# Altium PCB CABLE_JIG_TEST_PCB.PcbDoc (part 2 of 4) (continued)
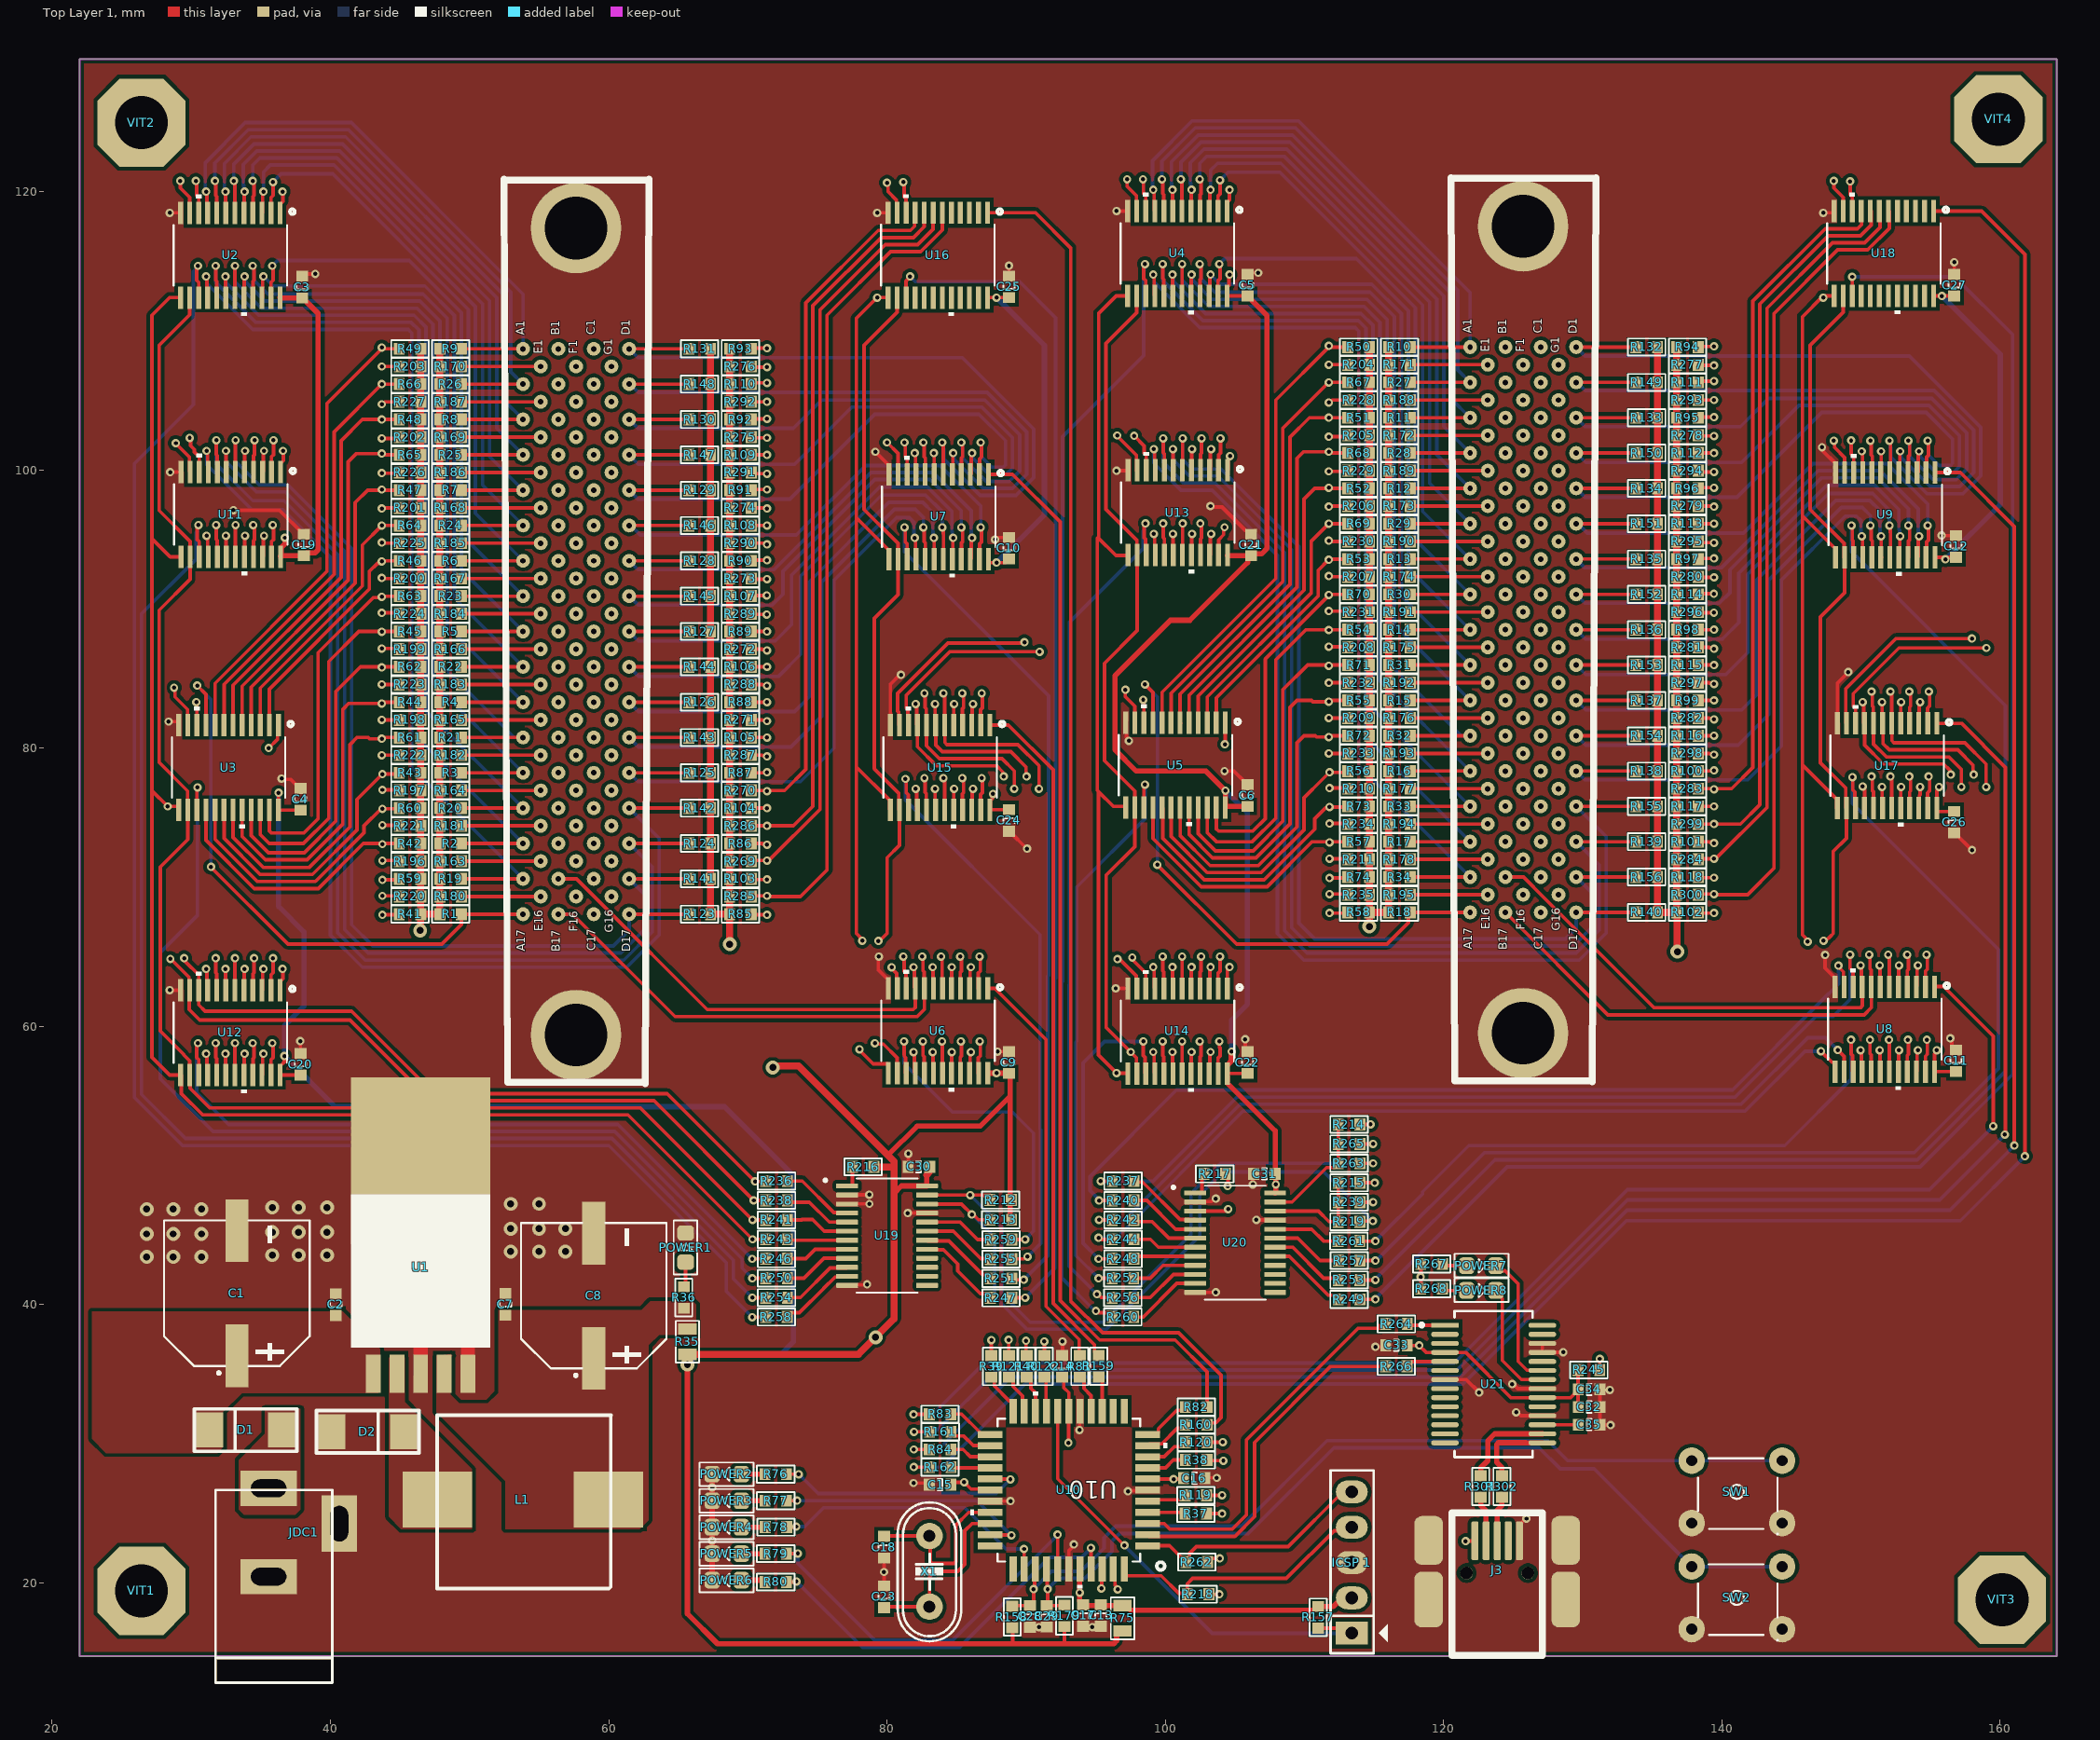
[diagram p0: Top Layer 1 view]
## Nets (pads, with @x,y where several pads share a name; then routed paths per layer and width w, separated by ;. In a path a pad name is that pad's centre, name@x,y a point inside that pad or via, vN(x,y) a via of type N, cw(c..) or ccw(c..) an arc to the next point about the centre after c; other vN are vias at no path point) (continued)
  Bottom Layer 1 w0.254: J1.D5@61.468,98.553 62.104,97.917 73.025,97.917 79.121,104.013 86.618,104.013 88.519,102.112 88.519,100.352 88.37,100.203 87.543,100.203 86.798,100.948 86.798,101.924 v1(86.741,101.981)
A4Y8: J1.D6 R146.1 U7.23 | length 37
  Top Layer 1 w0.254: J1.D6@61.468,96.013 R146.1@65.761,96.012 R146.1@65.761,96.012 ; U7.23@86.659,93.595 86.659,94.698 86.798,94.837 86.798,95.824 v1(86.741,95.881)
  Bottom Layer 1 w0.254: J1.D6@61.468,96.013 61.594,96.013 62.276,95.331 73.487,95.331 78.486,100.33 83.82,100.33 86.741,97.409 v1(86.741,95.881)
A4Y9: J1.D7 R128.1 U7.22 | length 36.7
  Top Layer 1 w0.254: J1.D7@61.468,93.473 R128.1@65.761,93.472 R128.1@65.761,93.472 ; U7.22@86.009,93.595 86.059,93.645 86.059,95.062 v1(86.117,95.119)
  Bottom Layer 1 w0.254: J1.D7@61.468,93.473 62.104,92.837 71.882,92.837 78.867,99.822 83.312,99.822 86.06,97.074 86.06,95.176 v1(86.117,95.119)
A4Y10: J1.D8 R145.1 U7.21 | length 37.6
  Top Layer 1 w0.254: J1.D8@61.468,90.933 R145.1@65.761,90.932 R145.1@65.761,90.932 ; v1(85.344,95.881) 85.344,95.787 85.436,95.695 85.436,94.837 85.359,94.76 U7.21@85.359,93.595
  Bottom Layer 1 w0.254: J1.D8@61.468,90.933 62.104,90.297 71.755,90.297 72.517,91.059 72.517,92.71 79.121,99.314 83.102,99.314 85.344,97.072 v1(85.344,95.881)
A4Y11: J1.D9 R127.1 U7.20 | length 38.7
  Top Layer 1 w0.254: J1.D9@61.468,88.393 R127.1@65.761,88.392 R127.1@65.761,88.392 ; U7.20@84.709,93.595 84.732,93.618 84.732,95.096 v1(84.755,95.119)
  Bottom Layer 1 w0.254: J1.D9@61.468,88.393 62.15,87.711 71.963,87.711 72.136,87.884 73.152,88.9 73.152,92.456 79.482,98.786 82.911,98.786 84.663,97.034 84.663,95.599 84.709,95.553 84.709,95.165 v1(84.755,95.119)
A4Y12: J1.D10 R144.1 U7.19 | length 39.7
  Top Layer 1 w0.254: J1.D10@61.468,85.853 R144.1@65.761,85.852 R144.1@65.761,85.852 ; v1(83.982,95.881) 84.048,95.815 84.048,95.412 84.066,95.394 84.066,93.603 U7.19@84.059,93.595
  Bottom Layer 1 w0.254: J1.D10@61.468,85.853 62.15,85.171 72.217,85.171 73.787,86.741 73.787,92.373 79.607,98.193 82.786,98.193 83.982,96.997 v1(83.982,95.881)
A4Y13: J1.D11 R126.1 U7.18 | length 41.2
  Top Layer 1 w0.254: J1.D11@61.468,83.313 R126.1@65.761,83.312 R126.1@65.761,83.312 ; v1(83.378,95.119) 83.394,95.104 83.394,93.611 U7.18@83.409,93.595
  Bottom Layer 1 w0.254: J1.D11@61.468,83.313 62.15,82.631 73.36,82.631 74.422,83.693 74.422,91.97 80.137,97.685 82.576,97.685 83.301,96.959 83.301,95.599 83.312,95.588 83.312,95.185 v1(83.378,95.119)
A4Y14: J1.D12 R143.1 U7.17 | length 41.8
  Top Layer 1 w0.254: J1.D12@61.468,80.773 R143.1@65.761,80.772 R143.1@65.761,80.772 ; v1(82.62,95.881) 82.677,95.824 82.677,94.857 82.759,94.775 U7.17@82.759,93.595
  Bottom Layer 1 w0.254: J1.D12@61.468,80.773 62.15,80.091 73.106,80.091 75.311,82.296 75.311,91.948 80.54,97.177 82.042,97.177 82.62,96.599 v1(82.62,95.881)
A4Y15: J1.D13 R125.1 U7.16 | length 42.8
  Top Layer 1 w0.254: J1.D13@61.468,78.233 R125.1@65.761,78.232 R125.1@65.761,78.232 ; v1(81.996,95.119) 82.059,95.057 82.059,93.645 U7.16@82.109,93.595
  Bottom Layer 1 w0.254: J1.D13@61.468,78.233 62.104,77.597 73.787,77.597 76.2,80.01 76.2,92.075 80.687,96.562 81.619,96.562 81.939,96.242 81.939,95.176 v1(81.996,95.119)
A5_ENABLE: R254.1 U11.15 | length 96.7
  Top Layer 1 w0.254: v1(30.515,96.04) 30.515,95.946 30.423,95.854 30.423,94.996 30.567,94.852 U11.15@30.567,93.754 ; v1(70.328,40.497) 71.283,40.497 R254.1@71.293,40.507
  Bottom Layer 1 w0.254: v1(30.515,96.04) 30.449,95.974 30.449,95.586 30.353,95.49 30.353,93.599 26.416,89.662 26.416,55.118 29.591,51.943 60.226,51.943 68.961,43.208 68.961,41.864 v1(70.328,40.497)
A5_Z_MCU: R119.1 U10.5 | length 2.8
  Top Layer 1 w0.254: U10.5@98.743,25.869 98.851,25.977 101.152,25.977 R119.1@101.425,26.249
A5Y0: J1.D14 R142.1 U11.9 | length 81.2
  Top Layer 1 w0.254: v1(31.104,101.378) 31.167,101.315 31.167,99.904 U11.9@31.217,99.854 ; J1.D14@61.468,75.693 R142.1@65.761,75.692 R142.1@65.761,75.692
  Bottom Layer 1 w0.254: v1(31.104,101.378) 31.104,100.385 34.334,97.155 36.58,97.155 40.005,93.73 40.005,66.548 42.291,64.262 61.3,64.262 63.627,66.589 63.627,73.534 J1.D14@61.468,75.693
A5Y1: J1.D15 R124.1 U11.8 | length 78.2
  Top Layer 1 w0.254: v1(31.796,102.14) 31.785,102.129 31.785,101.116 31.867,101.034 U11.8@31.867,99.854 ; J1.D15@61.468,73.153 R124.1@65.761,73.152 R124.1@65.761,73.152
  Bottom Layer 1 w0.254: v1(31.796,102.14) 31.785,102.129 31.785,100.422 34.417,97.79 36.663,97.79 40.513,93.94 40.513,66.758 42.501,64.77 61.089,64.77 63.119,66.8 63.119,71.502 J1.D15@61.468,73.153
A5Y2: J1.D16 R141.1 U11.7 | length 72.1
  Top Layer 1 w0.254: v1(32.486,101.378) 32.502,101.362 32.502,99.869 U11.7@32.517,99.854 ; J1.D16@61.468,70.613 R141.1@65.761,70.612 R141.1@65.761,70.612
  Bottom Layer 1 w0.254: v1(32.486,101.378) 32.486,100.61 34.671,98.425 36.747,98.425 41.021,94.151 41.021,66.969 42.712,65.278 60.879,65.278 62.611,67.01 62.611,69.47 J1.D16@61.468,70.613
A5Y3: J1.D17 R123.1 U11.6 | length 68.3
  Top Layer 1 w0.254: U11.6@33.167,99.854 33.175,99.861 33.175,102.132 v1(33.182,102.14) ; J1.D17@61.468,68.073 R123.1@65.761,68.072
  Bottom Layer 1 w0.254: v1(33.182,102.14) 33.182,100.632 34.881,98.933 36.957,98.933 41.529,94.361 41.529,67.31 43.053,65.786 60.325,65.786 61.468,66.929 J1.D17@61.468,68.073
A5Y4: J1.E1 R170.1 U11.5 | length 34.3
  Top Layer 1 w0.254: U11.5@33.817,99.854 33.84,99.877 33.84,101.355 v1(33.863,101.378) ; R170.1@49.416,107.442 J1.E1@55.118,107.442
  Top Layer w0.254: v1(33.863,101.378) 33.863,105.999 35.987,108.123 52.659,108.123 53.22,107.562 54.998,107.562 J1.E1@55.118,107.442
A5Y5: J1.E2 R187.1 U11.4 | length 31.8
  Top Layer 1 w0.254: U11.4@34.467,99.854 34.467,101.019 34.544,101.096 v1(34.544,102.14) ; R187.1@49.416,104.902 J1.E2@55.118,104.902
  Top Layer w0.254: v1(34.544,102.14) 34.544,104.902 35.052,105.41 52.832,105.41 53.213,105.029 54.991,105.029 J1.E2@55.118,104.902
A5Y6: J1.E3 R169.1 U11.3 | length 30.3
  Top Layer 1 w0.254: U11.3@35.117,99.854 35.167,99.904 35.167,101.32 v1(35.225,101.378) ; R169.1@49.416,102.362 J1.E3@55.118,102.362
  Top Layer w0.254: v1(35.225,101.378) 35.225,103.678 35.56,104.013 41.656,104.013 42.718,102.951 52.624,102.951 53.093,102.482 54.998,102.482 J1.E3@55.118,102.362
A5Y7: J1.E4 R186.1 U11.2 | length 29.9
  Top Layer 1 w0.254: U11.2@35.767,99.854 35.767,100.957 35.906,101.096 v1(35.906,102.14) ; R186.1@49.416,99.822 J1.E4@55.118,99.822
  Top Layer w0.254: v1(35.906,102.14) 35.906,103.216 36.068,103.378 40.259,103.378 43.18,100.457 52.451,100.457 52.959,99.949 54.991,99.949 J1.E4@55.118,99.822
A5Y8: J1.E5 R168.1 U11.23 | length 28.4
  Top Layer 1 w0.254: U11.23@35.767,93.754 35.767,94.857 35.906,94.996 35.906,95.983 v1(35.849,96.04) ; R168.1@49.416,97.282 J1.E5@55.118,97.282
  Top Layer w0.254: v1(35.849,96.04) 40.414,96.04 42.291,97.917 52.705,97.917 53.213,97.409 54.991,97.409 J1.E5@55.118,97.282
A5Y9: J1.E6 R185.1 U11.22 | length 28.1
  Top Layer 1 w0.254: U11.22@35.117,93.754 35.167,93.804 35.167,95.22 v1(35.225,95.278) ; R185.1@49.416,94.742 J1.E6@55.118,94.742
  Top Layer w0.254: v1(35.225,95.278) 36.396,94.107 52.197,94.107 53.086,94.996 54.662,94.996 54.916,94.742 J1.E6@55.118,94.742
A5Y10: J1.E7 R167.1 U11.21 | length 31.5
  Top Layer 1 w0.254: v1(34.452,96.04) 34.452,95.946 34.544,95.854 34.544,94.996 34.467,94.919 U11.21@34.467,93.754 ; R167.1@49.416,92.202 J1.E7@55.118,92.202
  Top Layer w0.254: v1(34.452,96.04) 34.518,95.974 34.518,95.586 34.544,95.56 34.544,94.996 37.973,91.567 52.07,91.567 52.832,92.329 54.991,92.329 J1.E7@55.118,92.202
A5Y11: J1.E8 R184.1 U11.20 | length 31.6
  Top Layer 1 w0.254: U11.20@33.817,93.754 33.84,93.777 33.84,95.255 v1(33.863,95.278) ; R184.1@49.416,89.662 J1.E8@55.118,89.662
  Top Layer w0.254: v1(33.863,95.278) 33.929,95.212 33.929,94.892 39.769,89.052 52.222,89.052 52.959,89.789 54.991,89.789 J1.E8@55.118,89.662
A5Y12: J1.E9 R166.1 U11.19 | length 35
  Top Layer 1 w0.254: U11.19@33.167,93.754 33.175,93.762 33.175,96.033 v1(33.182,96.04) ; R166.1@49.416,87.122 J1.E9@55.118,87.122
  Top Layer w0.254: v1(33.182,96.04) 33.182,94.707 41.402,86.487 52.07,86.487 52.832,87.249 54.991,87.249 J1.E9@55.118,87.122
A5Y13: J1.E10 R183.1 U11.18 | length 35.7
  Top Layer 1 w0.254: v1(32.486,95.278) 32.502,95.263 32.502,93.77 U11.18@32.517,93.754 ; R183.1@49.416,84.582 J1.E10@55.118,84.582
  Top Layer w0.254: v1(32.486,95.278) 32.486,94.006 42.591,83.901 52.278,83.901 53.086,84.709 54.991,84.709 J1.E10@55.118,84.582
A5Y14: J1.E11 R165.1 U11.17 | length 39.7
  Top Layer 1 w0.254: v1(31.785,96.04) 31.785,95.016 31.867,94.934 U11.17@31.867,93.754 ; R165.1@49.416,82.042 J1.E11@55.118,82.042
  Top Layer w0.254: v1(31.785,96.04) 31.785,92.982 43.406,81.361 52.278,81.361 53.171,82.254 54.354,82.254 54.424,82.185 54.975,82.185 J1.E11@55.118,82.042
A5Y15: J1.E12 R182.1 U11.16 | length 40.9
  Top Layer 1 w0.254: v1(31.104,95.278) 31.167,95.215 31.167,93.804 U11.16@31.217,93.754 ; R182.1@49.416,79.502 J1.E12@55.118,79.502
  Top Layer w0.254: v1(31.104,95.278) 31.104,91.123 43.406,78.821 52.151,78.821 52.952,79.622 54.998,79.622 J1.E12@55.118,79.502
A6_ENABLE: R246.1 U12.15 | length 51.8
  Top Layer 1 w0.254: v1(30.48,58.801) 30.48,58.707 30.388,58.615 30.388,57.757 30.532,57.613 U12.15@30.532,56.515 ; v1(70.315,43.291) 71.271,43.291 R246.1@71.281,43.301
  Bottom Layer 1 w0.254: v1(30.48,58.801) 30.414,58.735 30.414,58.347 30.388,58.321 30.388,55.252 32.681,52.959 60.647,52.959 v1(70.315,43.291)
A6_Z_MCU: R120.1 U10.9 | length 3.2
  Top Layer 1 w0.254: U10.9@98.743,29.069 99.935,29.069 100.66,29.794 101.194,29.794 101.46,30.061 R120.1@101.46,30.099
A6Y0: J1.E13 R164.1 U12.9 | length 38.4
  Top Layer 1 w0.254: v1(31.069,64.139) 31.132,64.076 31.132,62.665 U12.9@31.182,62.615 ; R164.1@49.416,76.962 J1.E13@55.118,76.962
  Top Layer w0.254: v1(31.069,64.139) 31.069,67.01 40.386,76.327 52.324,76.327 53.086,77.089 54.991,77.089 J1.E13@55.118,76.962
A6Y1: J1.E14 R181.1 U12.8 | length 36.7
  Top Layer 1 w0.254: v1(31.75,64.901) 31.75,63.877 31.832,63.795 U12.8@31.832,62.615 ; R181.1@49.416,74.422 J1.E14@55.118,74.422
  Top Layer w0.254: v1(31.75,64.901) 31.75,66.802 38.735,73.787 52.197,73.787 53.086,74.676 54.662,74.676 54.916,74.422 J1.E14@55.118,74.422
A6Y2: J1.E15 R163.1 U12.7 | length 34.7
  Top Layer 1 w0.254: v1(32.451,64.139) 32.467,64.123 32.467,62.63 U12.7@32.482,62.615 ; R163.1@49.416,71.882 J1.E15@55.118,71.882
  Top Layer w0.254: v1(32.451,64.139) 32.451,66.614 37.084,71.247 51.943,71.247 52.705,72.009 54.001,72.009 54.008,72.002 54.998,72.002 J1.E15@55.118,71.882
A6Y3: J1.E16 R180.1 U12.6 | length 32.6
  Top Layer 1 w0.254: U12.6@33.132,62.615 33.139,62.622 33.139,64.893 v1(33.147,64.901) ; R180.1@49.416,69.342 J1.E16@55.118,69.342
  Top Layer w0.254: v1(33.147,64.901) 33.147,66.167 35.687,68.707 51.816,68.707 52.571,69.462 54.998,69.462 J1.E16@55.118,69.342
A6Y4: J1.F1 R203.1 U12.5 | length 65
  Top Layer 1 w0.254: U12.5@33.782,62.615 33.805,62.638 33.805,64.116 v1(33.828,64.139) ; v1(43.688,107.442) R203.1@44.945,107.442
  Bottom Layer w0.254: v1(33.828,64.139) 33.828,66.086 37.211,69.469 37.211,85.217 38.481,86.487 38.481,102.235 v1(43.688,107.442) 53.848,107.442 54.864,108.458 55.372,108.458 56.388,107.442 J1.F1@57.658,107.442
A6Y5: J1.F2 R227.1 U12.4 | length 62.2
  Top Layer 1 w0.254: U12.4@34.432,62.615 34.432,63.78 34.509,63.857 v1(34.509,64.901) ; v1(43.688,104.729) 43.782,104.729 43.955,104.902 R227.1@44.945,104.902
  Bottom Layer w0.254: v1(34.509,64.901) 34.509,65.751 37.719,68.961 37.719,85.007 38.989,86.277 38.989,100.203 40.711,101.925 43.374,104.588 43.453,104.588 43.594,104.729 v1(43.688,104.729) ; v1@43.688,104.902 53.848,104.902 54.864,105.918 55.372,105.918 56.388,104.902 J1.F2@57.658,104.902
A6Y6: J1.F3 R202.1 U12.3 | length 60.1
  Top Layer 1 w0.254: U12.3@35.082,62.615 35.132,62.665 35.132,64.081 v1(35.19,64.139) ; v1(43.688,102.27) 44.853,102.27 R202.1@44.945,102.362
  Bottom Layer w0.254: v1(35.19,64.139) 35.19,65.543 38.227,68.58 38.227,84.796 39.497,86.066 39.497,99.441 42.326,102.27 v1(43.688,102.27) ; v1@43.688,102.362 53.848,102.362 54.864,103.378 55.372,103.378 56.388,102.362 J1.F3@57.658,102.362
A6Y7: J1.F4 R226.1 U12.2 | length 57.5
  Top Layer 1 w0.254: U12.2@35.732,62.615 35.732,63.718 35.871,63.857 v1(35.871,64.901) ; v1(43.688,99.776) 44.899,99.776 R226.1@44.945,99.822
  Bottom Layer w0.254: v1(35.871,64.901) 38.735,67.765 38.735,84.586 40.005,85.856 40.005,97.663 42.164,99.822 v1@43.688,99.822 ; v1(43.688,99.776) 43.734,99.822 53.848,99.822 54.864,100.838 55.372,100.838 56.388,99.822 J1.F4@57.658,99.822
A6Y8: J1.F5 R201.1 U12.23 | length 60.8
  Top Layer 1 w0.254: U12.23@35.732,56.515 35.732,57.618 35.871,57.757 35.871,58.744 v1(35.814,58.801) ; v1(43.688,97.236) 43.734,97.282 44.425,97.282 R201.1@44.945,97.282
  Bottom Layer w0.254: v1(35.814,58.801) 39.243,62.23 39.243,84.375 40.513,85.645 40.513,95.123 42.672,97.282 43.642,97.282 v1(43.688,97.236) ; v1@43.688,97.282 53.848,97.282 54.864,98.298 55.372,98.298 56.388,97.282 J1.F5@57.658,97.282
A6Y9: J1.F6 R225.1 U12.22 | length 60.5
  Top Layer 1 w0.254: U12.22@35.082,56.515 35.132,56.565 35.132,57.981 v1(35.19,58.039) ; v1(43.688,94.788) 43.734,94.742 44.425,94.742 R225.1@44.945,94.742
  Bottom Layer w0.254: v1(35.19,58.039) 36.079,57.15 37.465,57.15 39.751,59.436 39.751,84.165 41.021,85.435 41.021,92.075 v1@43.688,94.742 ; v1(43.688,94.788) v1@43.688,94.742 ; J1.F6@57.658,94.742 56.388,94.742 55.372,95.758 54.864,95.758 53.848,94.742 v1@43.688,94.742
A6Y10: J1.F7 R200.1 U12.21 | length 61.5
  Top Layer 1 w0.254: v1(34.417,58.801) 34.417,58.707 34.509,58.615 34.509,57.757 34.432,57.68 U12.21@34.432,56.515 ; v1(43.688,92.248) 43.734,92.202 44.425,92.202 R200.1@44.945,92.202
  Bottom Layer w0.254: v1(34.417,58.801) 34.483,58.735 34.483,58.347 34.509,58.321 34.509,57.757 35.751,56.515 37.846,56.515 40.259,58.928 40.259,83.954 41.529,85.224 41.529,90.089 43.642,92.202 v1@43.688,92.202 ; v1(43.688,92.248) 43.734,92.202 53.848,92.202 54.864,93.218 55.372,93.218 56.388,92.202 J1.F7@57.658,92.202
A6Y11: J1.F8 R224.1 U12.20 | length 59.4
  Top Layer 1 w0.254: U12.20@33.782,56.515 33.805,56.538 33.805,58.016 v1(33.828,58.039) ; v1(43.688,89.733) 44.874,89.733 R224.1@44.945,89.662
  Bottom Layer w0.254: v1(33.828,58.039) 33.894,57.973 33.894,57.653 35.541,56.007 38.056,56.007 40.767,58.718 40.767,83.744 42.037,85.014 42.037,88.9 42.87,89.733 v1(43.688,89.733) ; v1@43.688,89.662 53.848,89.662 54.864,90.678 55.372,90.678 56.388,89.662 J1.F8@57.658,89.662
A6Y12: J1.F9 R199.1 U12.19 | length 60.1
  Top Layer 1 w0.254: U12.19@33.132,56.515 33.139,56.523 33.139,58.793 v1(33.147,58.801) ; v1(43.688,87.168) 44.899,87.168 R199.1@44.945,87.122
  Bottom Layer w0.254: v1(33.147,58.801) 33.147,57.487 35.157,55.477 38.245,55.477 41.275,58.507 41.275,83.385 42.545,84.655 42.545,86.973 42.694,87.122 43.642,87.122 v1(43.688,87.168) ; v1@43.688,87.122 53.848,87.122 54.864,88.138 55.372,88.138 56.388,87.122 J1.F9@57.658,87.122
A6Y13: J1.F10 R223.1 U12.18 | length 57.1
  Top Layer 1 w0.254: v1(32.451,58.039) 32.467,58.023 32.467,56.53 U12.18@32.482,56.515 ; v1(43.688,84.582) R223.1@44.945,84.582
  Bottom Layer w0.254: v1(32.451,58.039) 32.517,57.973 32.517,57.399 34.947,54.969 38.586,54.969 41.783,58.166 41.783,82.677 v1(43.688,84.582) 53.848,84.582 54.864,85.598 55.372,85.598 56.388,84.582 J1.F10@57.658,84.582
A6Y14: J1.F11 R198.1 U12.17 | length 57.7
  Top Layer 1 w0.254: v1(31.75,58.801) 31.75,57.777 31.832,57.695 U12.17@31.832,56.515 ; v1(43.688,82.042) R198.1@44.945,82.042
  Bottom Layer w0.254: v1(31.75,58.801) 31.75,57.404 34.671,54.483 34.715,54.483 34.736,54.461 38.797,54.461 42.291,57.956 42.291,80.645 v1(43.688,82.042) 53.848,82.042 54.864,83.058 55.372,83.058 56.388,82.042 J1.F11@57.658,82.042
A6Y15: J1.F12 R222.1 U12.16 | length 55.2
  Top Layer 1 w0.254: v1(31.069,58.039) 31.132,57.976 31.132,56.565 U12.16@31.182,56.515 ; v1(43.688,79.502) R222.1@44.945,79.502
  Bottom Layer w0.254: v1(31.069,58.039) 31.078,58.03 31.078,57.358 34.482,53.953 39.007,53.953 42.799,57.745 42.799,78.707 43.594,79.502 v1(43.688,79.502) 53.848,79.502 54.864,80.518 55.372,80.518 56.388,79.502 J1.F12@57.658,79.502
A7_ENABLE: R255.2 U15.15 | length 42.3
  Top Layer 1 w0.254: v1(81.331,77.796) 81.388,77.739 81.388,76.805 81.532,76.661 U15.15@81.532,75.563 ; R255.2@88.976,43.281 88.986,43.291 89.848,43.291 90.007,43.45 v1(90.101,43.45)
  Bottom Layer 1 w0.254: v1(81.331,77.796) 81.331,76.276 90.996,66.611 90.996,52.598 91.044,52.55 91.044,44.394 v1(90.101,43.45)
A7_Z_MCU: R159.1 U10.14 | length 2.6
  Top Layer 1 w0.254: R159.1@95.222,34.798 95.473,34.546 U10.14@95.473,32.338
A7Y0: J1.F13 R197.1 U15.9 | length 61.3
  Top Layer 1 w0.254: v1(43.734,77.008) 44.899,77.008 R197.1@44.945,76.962 ; v1(82.069,83.187) 82.132,83.124 82.132,81.713 U15.9@82.182,81.663 ; U15.9@82.195,81.663 82.195,80.103 83.558,78.74 87.884,78.74 88.326,78.298 88.326,78.044 v1(88.392,77.978)
  Bottom Layer w0.254: v1(43.734,77.008) 43.78,76.962 53.848,76.962 54.864,77.978 55.372,77.978 56.388,76.962 J1.F13@57.658,76.962 58.928,76.962 62.149,73.741 86.064,73.741 88.392,76.069 v1(88.392,77.978)
A7Y1: J1.F14 R221.1 U15.8 | length 64
  Top Layer 1 w0.254: v1(43.734,74.468) 44.899,74.468 R221.1@44.945,74.422 ; v1(82.693,83.949) 82.75,83.892 82.75,82.924 82.829,82.846 82.829,81.667 U15.8@82.832,81.663 ; U15.8@82.845,81.663 82.845,80.171 83.768,79.248 88.265,79.248 89.154,78.359 v1(89.154,77.089)
  Bottom Layer w0.254: v1(43.734,74.468) 43.78,74.422 53.848,74.422 54.864,75.438 55.372,75.438 56.388,74.422 J1.F14@57.658,74.422 58.905,74.422 62.08,71.247 84.288,71.247 89.154,76.113 v1(89.154,77.089)
A7Y2: J1.F15 R196.1 U15.7 | length 65.4
  Top Layer 1 w0.254: v1(43.734,71.928) 44.899,71.928 R196.1@44.945,71.882 ; v1(83.451,83.187) 83.467,83.171 83.467,81.678 U15.7@83.482,81.663 ; U15.7@83.495,81.663 83.521,81.637 83.521,80.214 83.978,79.756 88.9,79.756 89.997,78.659 89.997,78.024 v1(90.043,77.978)
  Bottom Layer w0.254: v1(43.734,71.928) 43.78,71.882 53.848,71.882 54.864,72.898 55.372,72.898 56.388,71.882 J1.F15@57.658,71.882 58.928,71.882 62.103,68.707 82.467,68.707 90.043,76.283 v1(90.043,77.978)
A7Y3: J1.F16 R220.1 U15.6 | length 67.4
  Top Layer 1 w0.254: v1(43.734,69.388) 44.899,69.388 R220.1@44.945,69.342 ; v1(84.055,83.949) 84.055,83.855 84.145,83.765 U15.6@84.145,81.676 ; U15.6@84.145,81.663 84.167,81.641 84.167,80.413 84.316,80.264 89.408,80.264 90.932,78.74 v1(90.932,77.089)
  Bottom Layer w0.254: v1(43.734,69.388) 43.78,69.342 53.848,69.342 54.864,70.358 55.372,70.358 56.388,69.342 J1.F16@57.658,69.342 58.928,69.342 61.214,67.056 81.534,67.056 90.932,76.454 v1(90.932,77.089)
A7Y4: J1.G1 R276.1 U15.5 | length 55.3
  Top Layer 1 w0.254: R276.1@70.244,107.442 70.29,107.396 v1(71.374,107.396) ; U15.5@84.782,81.663 84.805,81.686 84.805,83.164 v1(84.828,83.187)
  Top Layer w0.254: J1.G1@60.198,107.442 60.4,107.442 60.654,107.696 71.052,107.696 71.352,107.396 v1(71.374,107.396)
  Bottom Layer w0.254: J1.G1@60.198,107.442 J1.G1@60.221,107.419 ; v1@71.351,107.419 v1(71.374,107.396) 75.057,103.713 75.057,100.326 90.551,84.832 90.551,82.042 89.281,80.772 86.189,80.772 84.828,82.133 v1(84.828,83.187)
A7Y5: J1.G2 R292.1 U15.4 | length 52.2
  Top Layer 1 w0.254: R292.1@70.244,104.902 v1(71.374,104.902) ; v1(85.417,83.949) 85.417,83.855 85.509,83.763 85.509,82.904 85.432,82.827 U15.4@85.432,81.663
  Top Layer w0.254: J1.G2@60.198,104.902 60.4,104.902 60.654,105.156 71.052,105.156 71.306,104.902 v1(71.374,104.902)
  Bottom Layer w0.254: v1(71.374,104.902) 71.468,104.902 71.632,104.738 71.665,104.738 72.931,103.472 74.295,102.108 74.295,100.37 89.916,84.749 89.916,82.151 89.045,81.28 86.614,81.28 85.509,82.385 85.509,83.469 85.483,83.494 85.483,83.882 v1(85.417,83.949)
A7Y6: J1.G3 R275.1 U15.3 | length 46.4
  Top Layer 1 w0.254: R275.1@70.244,102.362 70.29,102.316 v1(71.374,102.316) ; U15.3@86.082,81.663 86.132,81.713 86.132,83.129 v1(86.19,83.187)
  Top Layer w0.254: J1.G3@60.198,102.362 60.4,102.362 60.654,102.616 71.052,102.616 71.352,102.316 v1(71.374,102.316)
  Bottom Layer w0.254: J1.G3@60.198,102.362 J1.G3@60.221,102.339 ; v1@71.351,102.339 v1(71.374,102.316) 72.309,102.316 73.66,100.965 73.66,100.286 89.281,84.665 89.281,82.234 88.835,81.788 87.039,81.788 86.256,82.57 86.256,83.12 v1(86.19,83.187)
A7Y7: J1.G4 R291.1 U15.2 | length 44.2
  Top Layer 1 w0.254: R291.1@70.244,99.822 70.336,99.73 v1(71.374,99.73) ; U15.2@86.732,81.663 86.732,82.765 86.871,82.904 86.871,83.892 v1(86.814,83.949)
  Top Layer w0.254: J1.G4@60.198,99.822 60.4,99.822 60.654,100.076 71.028,100.076 v1(71.374,99.73)
  Bottom Layer w0.254: J1.G4@60.198,99.822 J1.G4@60.244,99.776 ; v1@71.328,99.776 v1(71.374,99.73) 73.498,99.73 88.773,84.455 88.773,82.445 88.624,82.296 87.249,82.296 86.871,82.674 86.871,83.892 v1(86.814,83.949)
A7Y8: J1.G5 R274.1 U15.23 | length 42.2
  Top Layer 1 w0.254: R274.1@70.244,97.282 70.764,97.282 71.328,97.282 v1(71.374,97.236) ; U15.23@86.732,75.563 86.732,76.666 86.871,76.805 86.871,77.792 v1(86.814,77.849)
  Top Layer w0.254: J1.G5@60.198,97.282 60.4,97.282 60.654,97.536 71.052,97.536 71.352,97.236 v1(71.374,97.236)
  Bottom Layer w0.254: J1.G5@60.198,97.282 J1.G5@60.221,97.259 ; v1@71.351,97.259 v1(71.374,97.236) 78.74,89.87 78.74,85.126 81.57,82.296 83.947,82.296 86.814,79.429 v1(86.814,77.849)
A7Y9: J1.G6 R290.1 U15.22 | length 40.2
  Top Layer 1 w0.254: R290.1@70.244,94.742 71.188,94.742 71.28,94.65 v1(71.374,94.65) ; U15.22@86.082,75.563 86.132,75.613 86.132,77.029 v1(86.19,77.087)
  Top Layer w0.254: J1.G6@60.198,94.742 60.4,94.742 60.654,94.996 71.028,94.996 v1(71.374,94.65)
  Bottom Layer w0.254: J1.G6@60.198,94.742 J1.G6@60.29,94.65 ; v1(71.374,94.65) 72.736,94.65 78.232,89.154 78.232,84.916 81.36,81.788 83.693,81.788 86.133,79.348 86.133,77.144 v1(86.19,77.087)
A7Y10: J1.G7 R273.1 U15.21 | length 37.8
  Top Layer 1 w0.254: R273.1@70.244,92.202 70.29,92.156 v1(71.374,92.156) ; v1(85.417,77.849) 85.417,77.755 85.509,77.663 85.509,76.805 85.432,76.728 U15.21@85.432,75.563
  Top Layer w0.254: J1.G7@60.198,92.202 60.4,92.202 60.654,92.456 71.052,92.456 71.352,92.156 v1(71.374,92.156)
  Bottom Layer w0.254: J1.G7@60.198,92.202 J1.G7@60.221,92.179 ; v1@71.351,92.179 v1(71.374,92.156) 73.706,92.156 77.597,88.265 77.597,84.832 81.149,81.28 83.483,81.28 85.417,79.346 v1(85.417,77.849)
A7Y11: J1.G8 R289.1 U15.20 | length 35.9
  Top Layer 1 w0.254: R289.1@70.244,89.662 70.29,89.616 v1(71.367,89.616) ; U15.20@84.782,75.563 84.805,75.586 84.805,77.064 v1(84.828,77.087)
  Top Layer w0.254: J1.G8@60.198,89.662 60.4,89.662 60.654,89.916 71.046,89.916 71.346,89.616 v1(71.367,89.616)
  Bottom Layer w0.254: J1.G8@60.198,89.662 J1.G8@60.214,89.646 ; v1@71.338,89.646 71.434,89.55 71.674,89.55 71.689,89.535 75.416,89.535 76.962,87.989 76.962,84.749 80.939,80.772 83.272,80.772 84.736,79.308 84.736,77.567 84.762,77.541 84.762,77.153 v1(84.828,77.087)
A7Y12: J1.G9 R272.1 U15.19 | length 32.8
  Top Layer 1 w0.254: R272.1@70.244,87.122 70.764,87.122 71.018,87.122 71.044,87.096 71.308,87.096 v1(71.374,87.03) ; v1(84.055,77.849) 84.055,77.755 84.145,77.665 84.145,75.576 U15.19@84.14,75.57
  Top Layer w0.254: J1.G9@60.198,87.122 60.4,87.122 60.654,87.376 71.028,87.376 v1(71.374,87.03)
  Bottom Layer w0.254: J1.G9@60.198,87.122 J1.G9@60.244,87.076 ; v1@71.409,86.995 74.93,86.995 76.2,85.725 76.2,84.792 80.728,80.264 83.062,80.264 84.055,79.271 v1(84.055,77.849)
A7Y13: J1.G10 R288.1 U15.18 | length 30.5
  Top Layer 1 w0.254: R288.1@70.244,84.582 70.764,84.582 71.018,84.582 71.044,84.556 71.308,84.556 v1(71.374,84.49) ; v1(83.451,77.087) 83.467,77.071 83.467,75.578 U15.18@83.482,75.563
  Top Layer w0.254: J1.G10@60.198,84.582 60.4,84.582 60.654,84.836 71.028,84.836 v1(71.374,84.49)
  Bottom Layer w0.254: J1.G10@60.198,84.582 J1.G10@60.29,84.49 ; v1(71.374,84.49) 75.784,84.49 80.518,79.756 82.635,79.756 83.374,79.017 83.374,77.567 83.385,77.556 83.385,77.153 v1(83.451,77.087)
A7Y14: J1.G11 R271.1 U15.17 | length 28.5
  Top Layer 1 w0.254: R271.1@70.244,82.042 70.764,82.042 71.018,82.042 71.044,82.016 71.308,82.016 v1(71.374,81.95) ; v1(82.693,77.849) 82.75,77.792 82.75,76.825 82.832,76.743 U15.17@82.832,75.563
  Top Layer w0.254: J1.G11@60.198,82.042 60.4,82.042 60.654,82.296 71.028,82.296 v1(71.374,81.95)
  Bottom Layer w0.254: J1.G11@60.198,82.042 J1.G11@60.244,81.996 ; v1@71.328,81.996 v1(71.374,81.95) 77.391,81.95 80.093,79.248 82.074,79.248 82.693,78.629 v1(82.693,77.849)
A7Y15: J1.G12 R287.1 U15.16 | length 26.8
  Top Layer 1 w0.254: R287.1@70.244,79.502 70.764,79.502 71.018,79.502 71.044,79.476 71.308,79.476 v1(71.374,79.41) ; v1(82.069,77.087) 82.132,77.024 82.132,75.613 U15.16@82.182,75.563
  Top Layer w0.254: J1.G12@60.198,79.502 60.4,79.502 60.654,79.756 71.028,79.756 v1(71.374,79.41)
  Bottom Layer w0.254: J1.G12@60.198,79.502 J1.G12@60.29,79.41 ; v1(71.374,79.41) 79.086,79.41 79.756,78.74 81.863,78.74 82.012,78.591 82.012,77.144 v1(82.069,77.087)
A8_ENABLE: R247.2 U16.15 | length 85.8
  Top Layer 1 w0.254: U16.15@81.379,112.309 81.379,113.578 81.661,113.86 v1(81.661,113.919) ; R247.2@88.976,40.487 88.986,40.497 v1(89.941,40.497)
  Bottom Layer 1 w0.254: v1(81.661,113.919) 82.042,113.538 89.535,113.538 92.121,110.952 92.121,63.459 92.06,63.398 92.06,42.616 v1@89.902,40.457
A8_Z_MCU: R160.1 U10.10 | length 3.3
  Top Layer 1 w0.254: U10.10@98.743,29.869 98.87,29.996 99.752,29.996 100.865,31.108 101.2,31.108 R160.1@101.46,31.369
A8Y0: J1.G13 R270.1 U16.9 | length 60.7
  Top Layer 1 w0.254: R270.1@70.244,76.962 70.764,76.962 71.328,76.962 v1(71.374,76.916) ; v1@71.374,76.962 72.644,76.962 74.168,78.486 74.168,112.014 79.375,117.221 81.688,117.221 81.989,117.522 81.989,118.457 U16.9@82.027,118.495 ; U16.9@81.978,118.459 U16.9@81.985,118.453
  Top Layer w0.254: J1.G13@60.198,76.962 60.4,76.962 60.654,77.216 71.052,77.216 71.352,76.916 v1(71.374,76.916)
  Bottom Layer w0.254: J1.G13@60.198,76.962 J1.G13@60.221,76.939 ; v1@71.351,76.939 v1(71.374,76.916)
A8Y1: J1.G14 R286.1 U16.8 | length 63.7
  Top Layer 1 w0.254: R286.1@70.244,74.422 70.764,74.422 v1(71.374,74.422) 73.279,74.422 74.676,75.819 74.676,111.804 79.585,116.713 81.898,116.713 82.673,117.488 82.673,118.491 U16.8@82.677,118.495
  Top Layer w0.254: J1.G14@60.198,74.422 60.4,74.422 60.654,74.676 71.052,74.676 71.306,74.422 v1(71.374,74.422)
A8Y2: J1.G15 R269.1 U16.7 | length 65.5
  Top Layer 1 w0.254: R269.1@70.244,71.882 70.29,71.928 v1(71.374,71.928) ; v1@71.374,71.882 71.457,71.882 75.184,75.609 75.184,111.506 79.883,116.205 82.213,116.205 83.312,117.304 83.312,118.494 U16.7@83.313,118.495
  Top Layer w0.254: J1.G15@60.198,71.882 60.4,71.882 60.654,72.136 71.072,72.136 71.28,71.928 v1(71.374,71.928)
A8Y3: J1.G16 R285.1 U16.6 | length 69.5
  Top Layer 1 w0.254: R285.1@70.244,69.342 70.29,69.388 v1(71.374,69.388) ; v1@71.374,69.342 73.787,69.342 75.692,71.247 75.692,111.125 80.264,115.697 82.423,115.697 83.977,117.251 U16.6@83.977,118.495
  Top Layer w0.254: J1.G16@60.198,69.342 60.325,69.469 71.153,69.469 71.168,69.454 71.308,69.454 v1(71.374,69.388)